# Altium PCB stm32PCB.PcbDoc
Units mil, origin at the board's own origin, x right, y up, seen from the top; angles counter-clockwise.
Board outline 1574.8 x 1600 mil, 2 copper layers (Top Layer, Bottom Layer); 46 components, 56 nets, 198 pads, 83 vias.
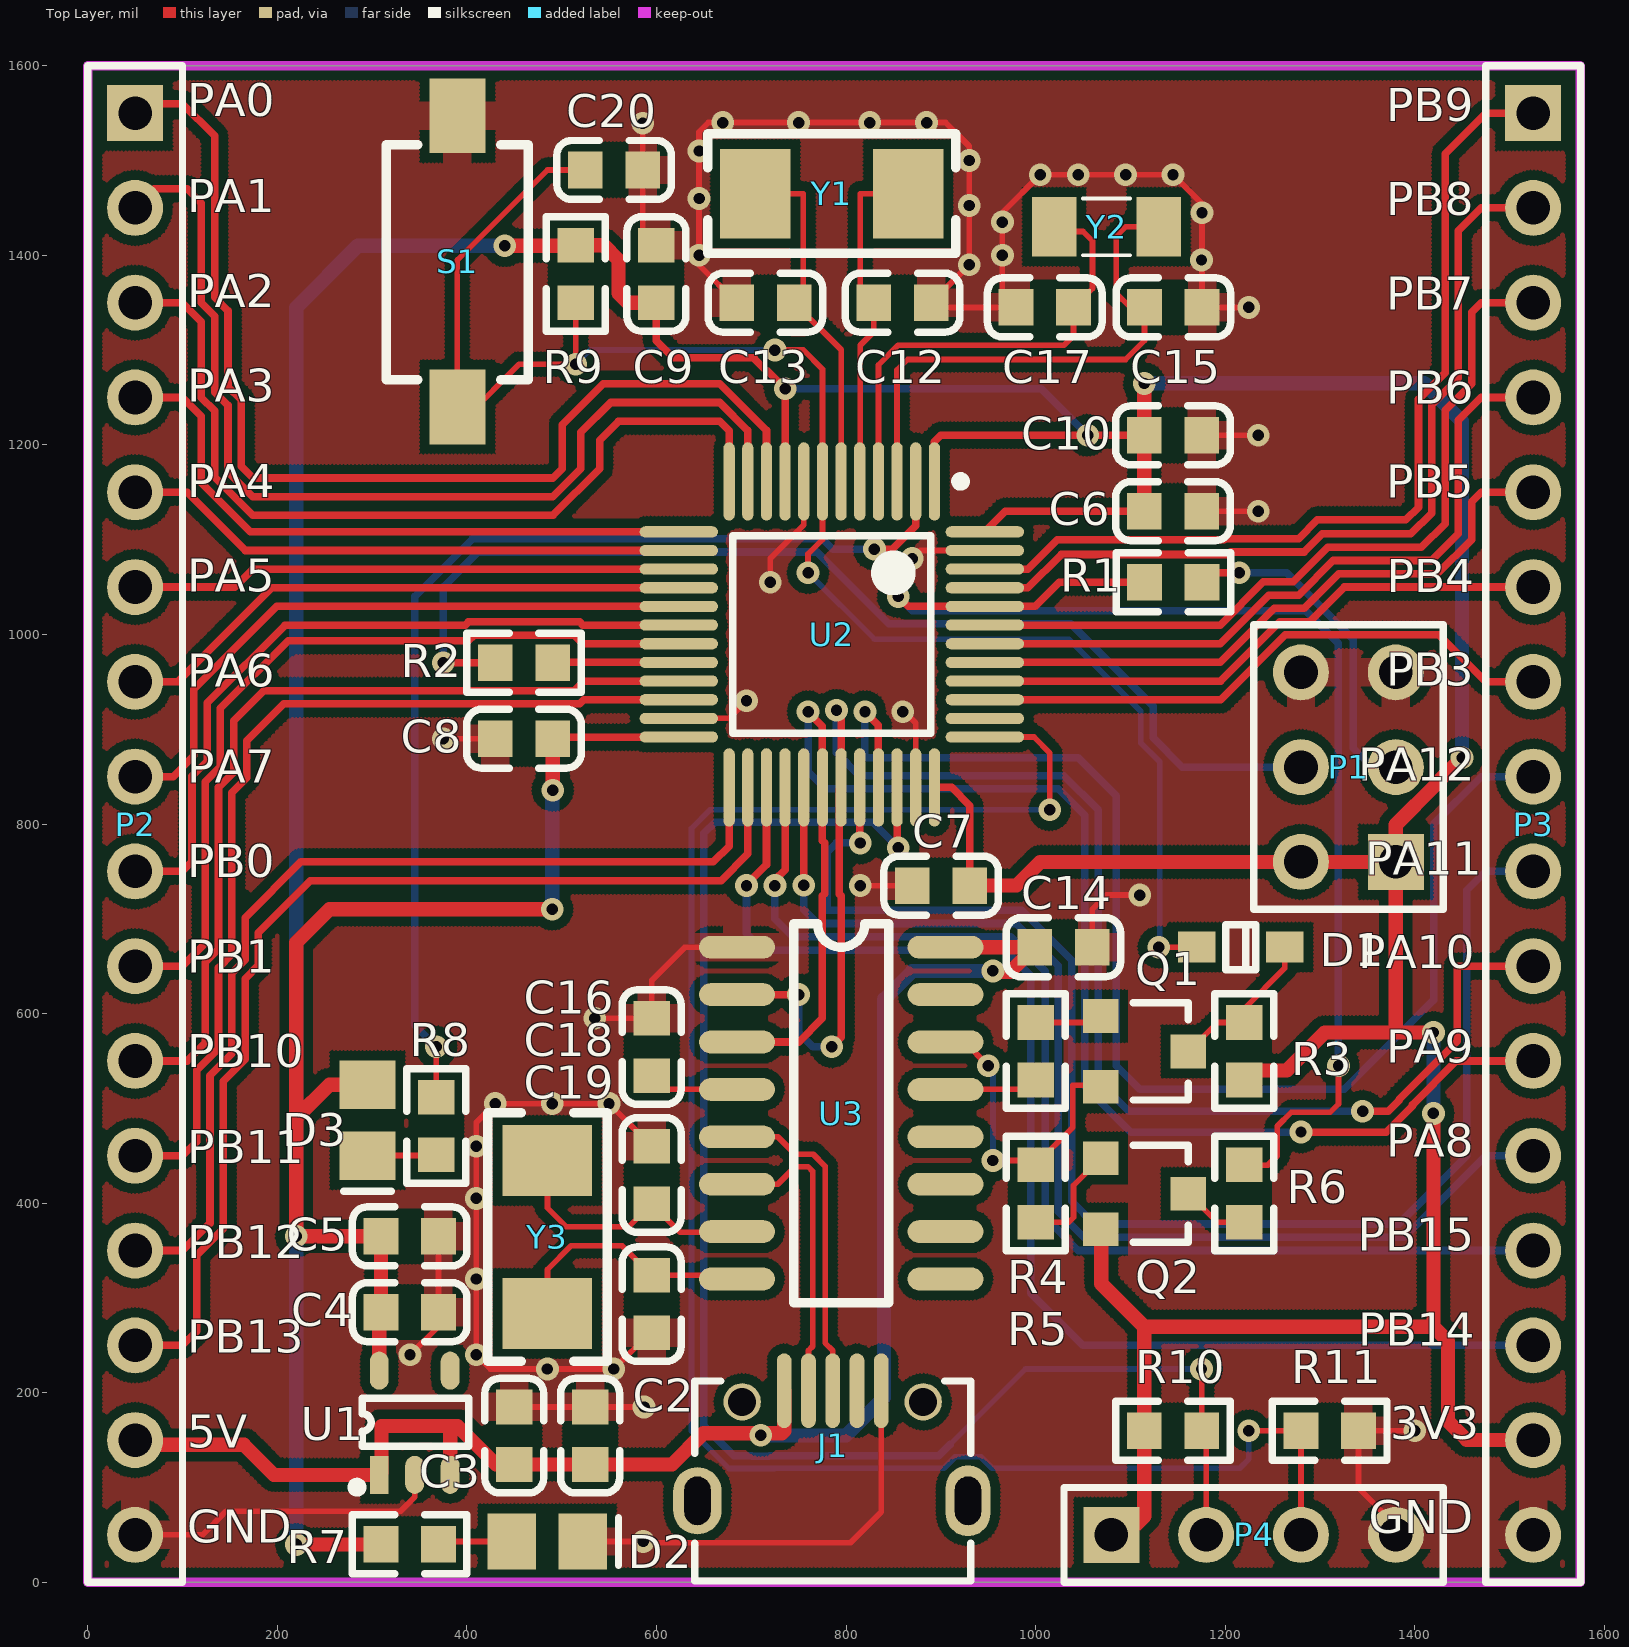
[diagram p0: Top Layer view]
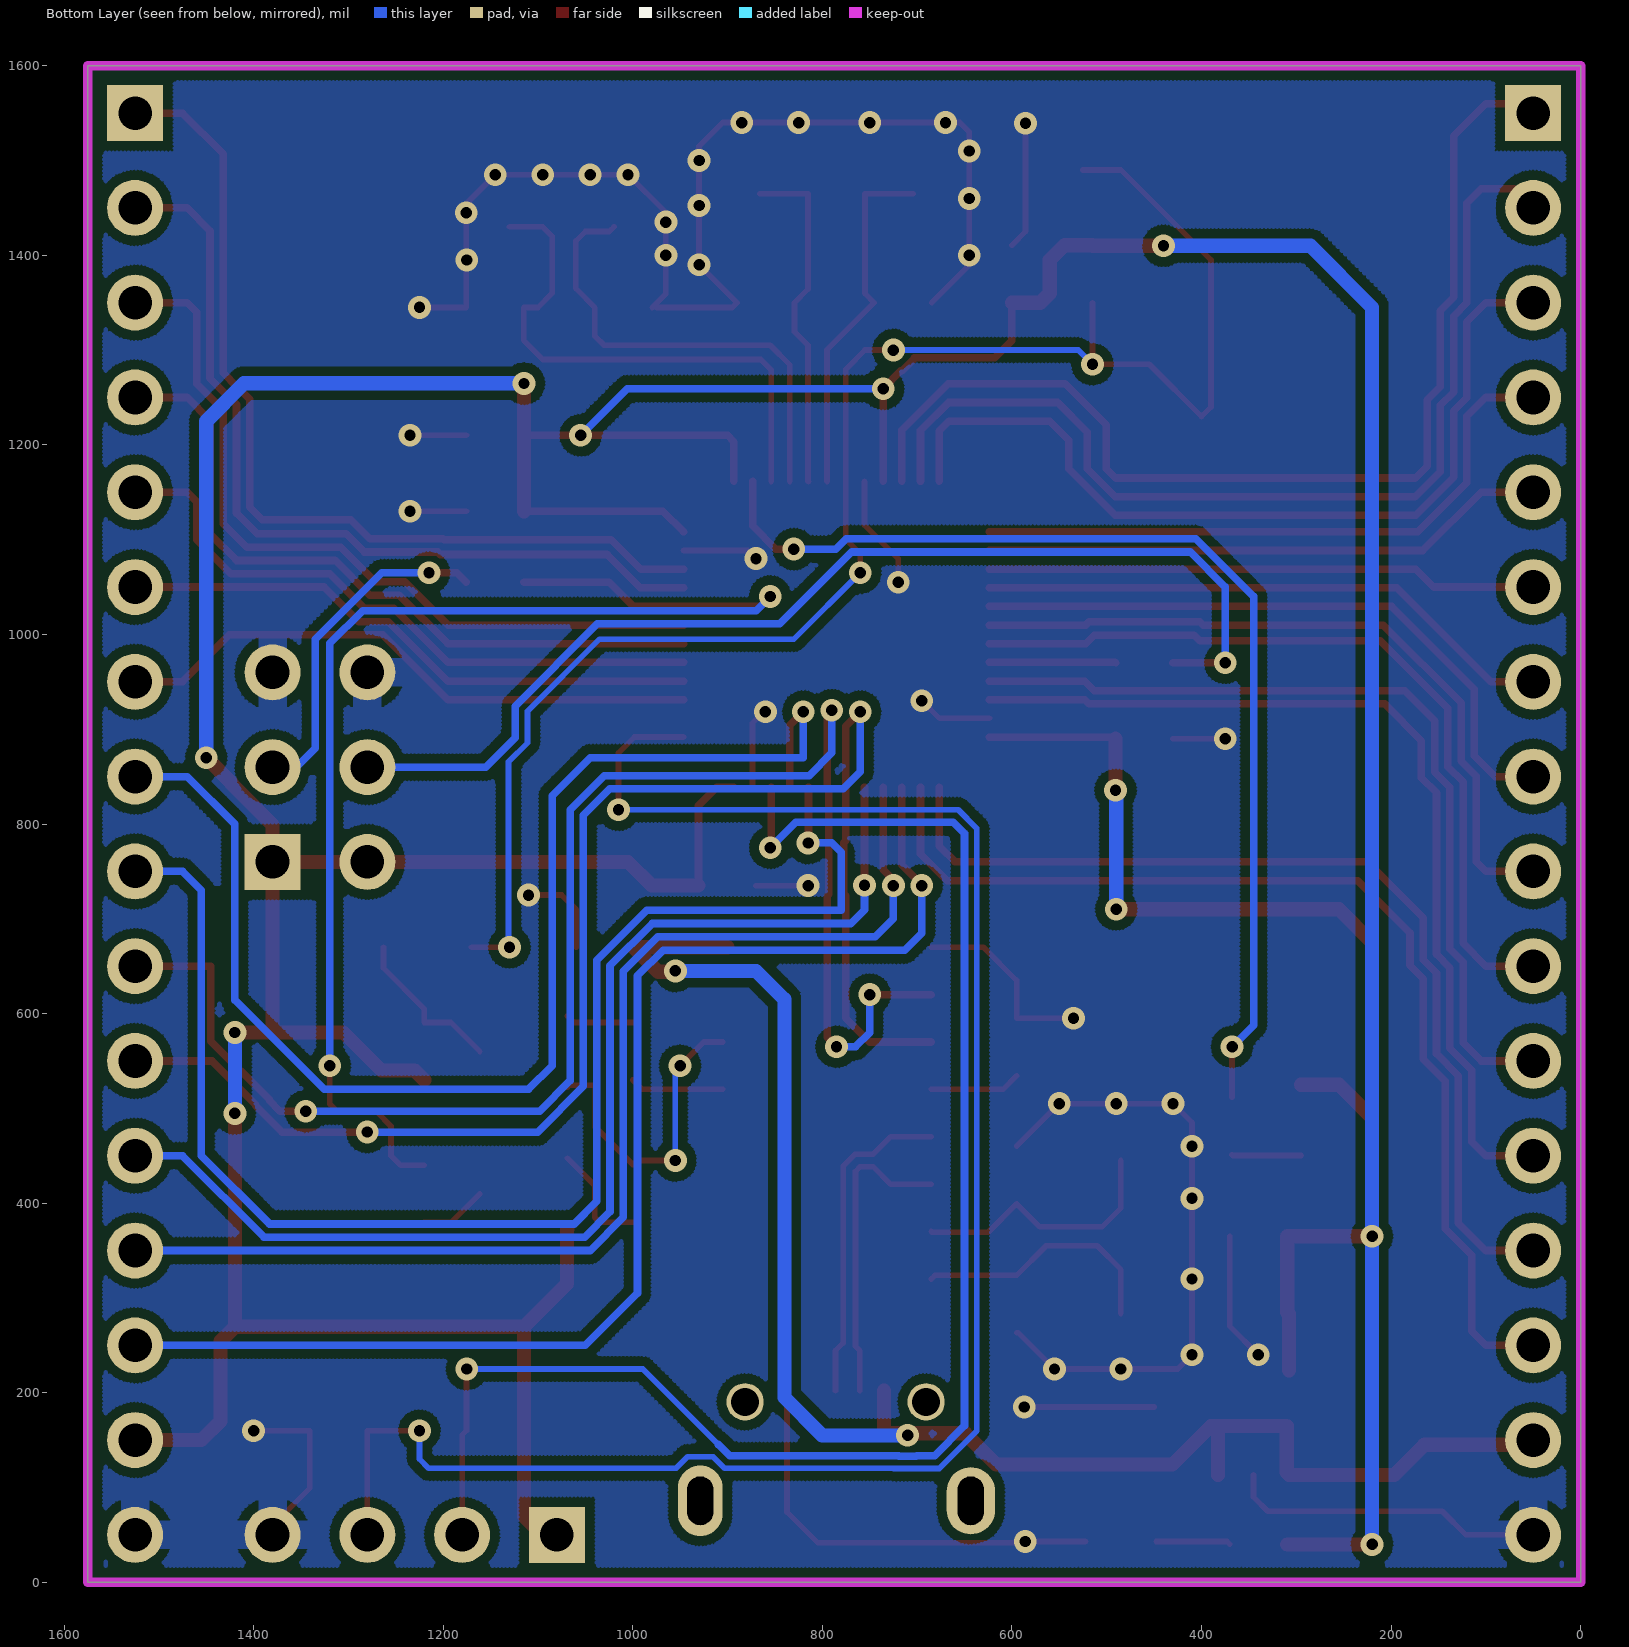
[diagram p1: Bottom Layer view, seen from below]
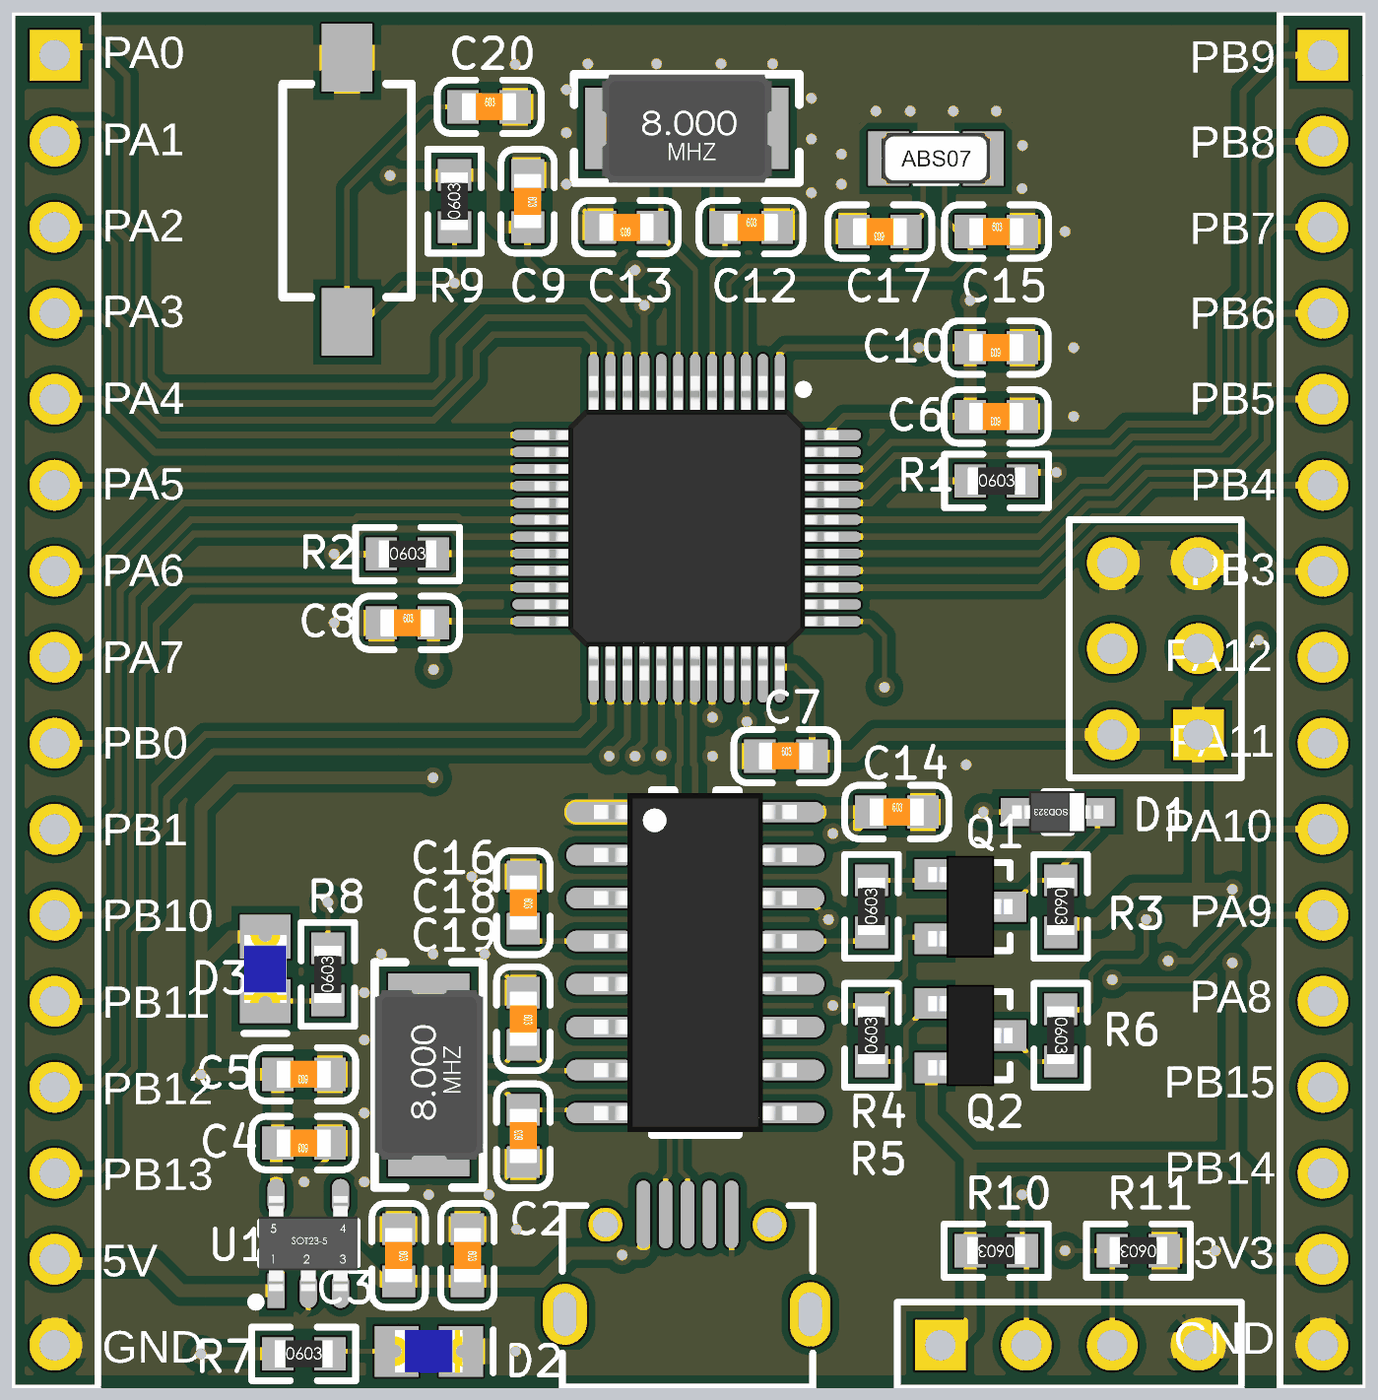
[diagram p2: 3D render of the assembled board from above, using the file's embedded part models]

## Layer stack, top to bottom
Top Solder: solder mask 0.4, Solder Resist, Dk 3.5
Top Layer: signal copper 1.4
Dielectric 1: dielectric 12.6, FR-4, Dk 4.8
Bottom Layer: signal copper 1.4
Bottom Solder: solder mask 0.4, Solder Resist, Dk 3.5

## Board outline
0,0 1574.8,0 1574.8,1600 0,1600

## Design rules (kind name [scope] priority, off if disabled: settings)
Clearance [(IsTrack) vs (IsTrack)] p1 off: gap=12
Clearance POLY [InPolygon] p2: gap=10
Clearance VIA-POLY [ISVIA vs InPolygon] p3: gap=6
Clearance all [All] p4: gap=6
DiffPairsRouting DiffPair_90DiffPairsRouting [InDifferentialPairClass('90OM')] p1: maxlimit=7 minlimit=7 mostfreqgap=7 toplayer_minwidth=6 toplayer_maxwidth=6 toplayer_prefwidth=6 bottomlayer_minwidth=6 bottomlayer_maxwidth=6 bottomlayer_prefwidth=6 maxuncoupledlength=500
MatchedLengths DiffPair_90MatchedLengths [InDifferentialPair ('D_D')] p1: tolerance=1000 checknetsindiffpair=FALSE checkdiffpairvsdiffpair=TRUE checkxsignals=TRUE checkothers=TRUE
PolygonConnect PolygonConnect_1 [ISVIA] p1: connectstyle=Direct reliefconductorwidth=10 reliefentries=4 polygonreliefangle="90 Angle" airgapwidth=10
PolygonConnect [All] p2: connectstyle=Relief reliefconductorwidth=30 reliefentries=4 polygonreliefangle="90 Angle" airgapwidth=10
RoutingVias [All] p1: holewidth=12 width=24 viastyle="Through Hole" minholewidth=12 minwidth=24 maxholewidth=12 maxwidth=24
SilkToSilkClearance [All] p1: silktosilkclearance=2
SilkToSolderMaskClearance [IsPad] p1: minsilkscreentomaskgap=2 clearancetoexposedcopper=TRUE
SolderMaskExpansion [All] p1: expansion=2.5
Width PWR [InNetClass('PWR')] p1: maxlimit=60 minlimit=6 preferedwidth=15
Width [All] p2: maxlimit=45 minlimit=6 preferedwidth=6
27 further rules are at their usual default settings.

## Classes and differential pairs
differential pair class 90OM: USB
net class PWR: 3V3 5V
differential pair USB: +D+ -D-

## Components (designator, comment, footprint, x,y, rotation, side; value= is the part's Value field where it differs from the comment)
C2 "Cap" 0603_C 530,154.68 r270 top
C3 "Cap" 0603_C 450,154.68 r270 top
C4 "Cap" 0603_C 339.68,285 r180 top
C5 "Cap" 0603_C 339.68,365 r180 top
C6 "Cap" 0603_C 1145,1130 r180 top
C7 "Cap" 0603_C 900.32,735 r0 top
C8 "Cap" 0603_C 460.32,890 r0 top
C9 "Cap" 0603_C 600,1380.32 r270 top
C10 "Cap" 0603_C 1145,1210 r180 top
C12 "Cap" 0603_C 859.68,1350 r0 top
C13 "Cap" 0603_C 715,1350 r180 top
C14 "Cap" 0603_C 1029.33,670 r0 top
C15 "Cap" 0603_C 1145.32,1345 r0 top
C16 "Cap" 0603_C 595,564.68 r270 top
C17 "Cap" 0603_C 1009.68,1345 r180 top
C18 "Cap" 0603_C 595,429.68 r270 top
C19 "Cap" 0603_C 595,293.46 r90 top
C20 "Cap" 0603_C 555.32,1490 r0 top
D1 "Diode" SOD-323 1216.46,670 r180 top
D2 "LED0" LED_0805_Blue 485,43.01 r0 top
D3 "LED0" LED_0805_Blue 295,487.6 r270 top
J1 "USB_M" USB 785,85 r0 top
P1 "Header 3*2" HDR3X2 1330,860 r90 top
P2 "Header 16" HDR16X1_A 50,800 r270 top
P3 "Header 16" HDR16X1_A 1525,800 r270 top
P4 "Header 4" HDR4X1_A 1230,50 r0 top
Q1 "SS8050" SOT-23 1115,560 r270 top
Q2 "SS8550" SOT-23 1115,410 r270 top
R1 "Res1" 0603_R 1145.31,1055 r0 top
R2 "Res1" 0603_R 460.31,970 r0 top
R3 "Res1" 0603_R 1220,560.32 r270 top
R4 "Res1" 0603_R 1000,560.31 r90 top
R5 "Res1" 0603_R 1000,410.31 r90 top
R6 "Res1" 0603_R 1220,410.32 r270 top
R7 "Res1" 0603_R 339.68,40 r0 top
R8 "Res1" 0603_R 367.7,481.28 r90 top
R9 "Res1" 0603_R 515,1380.31 r90 top
R10 "Res1" 0603_R 1145,160 r180 top
R11 "Res1" 0603_R 1310.32,160 r180 top
S1 "SW-PB" SW_PB2_A1 390,1393.54 r90 top
U1 "ME6211" SOT23-5 345,168.32 r90 top
U2 "STM32F103C8T6" LQFP-48_M 785,1000 r270 top
U3 "CH340G" SOP-16 795,495 r0 top
Y1 "8M" 5032 785,1465 r180 top
Y2 "32.768X" 3215 1074.88,1430 r180 top
Y3 "8M" 5032 485,364.29 r270 top

## Footprints (in the part's own frame and the unit in brackets; to place one, negate y for a bottom-side part, rotate by r counter-clockwise, add the part's x,y. Pads: shape width x height; smd on the part's side, far side on the other; paste and mask are expansions set on the pad)
0603_C [mm]
  rect 0.93x0.98 smd: 1(-0.77,0) 2(0.77,0)
  silkscreen extent -1.53,-0.79 1.54,0.79, body extent -0.8,-0.4 0.8,0.4, height 0.3
0603_R [mm]
  rect 0.93x0.98 smd: 1(-0.77,0) 2(0.77,0)
  silkscreen extent -1.53,-0.79 1.54,0.79, body extent -0.85,-0.4 0.85,0.4, height 0.56
3215 [mm]
  rect 1.2x1.6 smd: 1(-1.4,0) 2(1.4,0)
  silkscreen extent -0.64,-0.76 0.64,0.76, body extent -1.61,-0.76 1.61,0.76, height 0.91
5032 [mm]
  rect 1.9x2.4 smd: 1(-2.05,0) 2(2.05,0)
  silkscreen extent -3.32,-1.6 3.32,1.6, body extent -2.51,-1.59 2.49,1.61, height 1.2
HDR3X2 [mm]
  rect 1.5x1.5 hole 0.9: 1(-2.54,-1.27)
  round 1.5 hole 0.9: 2(-2.54,1.27) 3(0,-1.27) 4(0,1.27) 5(2.54,-1.27) 6(2.54,1.27)
  silkscreen extent -3.81,-2.54 3.81,2.54, body extent -3.81,-2.54 3.81,2.54, height 8.57
HDR4X1_A [mm]
  rect 1.5x1.5 hole 0.9: 1(-3.81,0)
  round 1.5 hole 0.9: 2(-1.27,0) 3(1.27,0) 4(3.81,0)
  silkscreen extent -5.08,-1.27 5.08,1.27, body extent -5.08,-1.27 5.08,1.27, height 8.57
HDR16X1_A [mm]
  rect 1.5x1.5 hole 0.9: 1(-19.05,0)
  round 1.5 hole 0.9: 2(-16.51,0) 3(-13.97,0) 4(-11.43,0) 5(-8.89,0) 6(-6.35,0) 7(-3.81,0) 8(-1.27,0) 9(1.27,0) 10(3.81,0) 11(6.35,0) 12(8.89,0) 13(11.43,0) 14(13.97,0) 15(16.51,0) 16(19.05,0)
  silkscreen extent -20.32,-1.27 20.32,1.27, body extent -20.32,-1.27 20.32,1.27, height 8.57
LED_0805_Blue [mm]
  rect 1.3x1.5 smd: 1(-0.95,0) 2(0.95,0)
  silkscreen extent 1.91,-0.64 1.91,0.64, body extent -1,-0.63 1,0.62, height 1.1
LQFP-48_M [mm]
  oval 2.1x0.3 smd: 1(-4.1,2.75) 2(-4.1,2.25) 3(-4.1,1.75) 4(-4.1,1.25) 5(-4.1,0.75) 6(-4.1,0.25) 7(-4.1,-0.25) 8(-4.1,-0.75) 9(-4.1,-1.25) 10(-4.1,-1.75) 11(-4.1,-2.25) 12(-4.1,-2.75) 25(4.1,-2.75) 26(4.1,-2.25) 27(4.1,-1.75) 28(4.1,-1.25) 29(4.1,-0.75) 30(4.1,-0.25) 31(4.1,0.25) 32(4.1,0.75) 33(4.1,1.25) 34(4.1,1.75) 35(4.1,2.25) 36(4.1,2.75)
  oval 0.3x2.1 smd: 13(-2.75,-4.1) 14(-2.25,-4.1) 15(-1.75,-4.1) 16(-1.25,-4.1) 17(-0.75,-4.1) 18(-0.25,-4.1) 19(0.25,-4.1) 20(0.75,-4.1) 21(1.25,-4.1) 22(1.75,-4.1) 23(2.25,-4.1) 24(2.75,-4.1) 37(2.75,4.1) 38(2.25,4.1) 39(1.75,4.1) 40(1.25,4.1) 41(0.75,4.1) 42(0.25,4.1) 43(-0.25,4.1) 44(-0.75,4.1) 45(-1.25,4.1) 46(-1.75,4.1) 47(-2.25,4.1) 48(-2.75,4.1)
  silkscreen extent -4.22,-2.65 2.65,3.57, body extent -4.5,-4.5 4.5,4.5, height 1.6
SOD-323 [mm]
  rect 1x0.83 smd: 1(1.18,0) 2(-1.18,0)
  silkscreen extent -0.4,-0.6 0.4,0.6, body extent -1.35,-0.62 1.35,0.63, height 1.1
SOP-16 [mil]
  oval 80x24 smd: 1(-110,175) 2(-110,125) 3(-110,75) 4(-110,25) 5(-110,-25) 6(-110,-75) 7(-110,-125) 8(-110,-175) 9(110,-175) 10(110,-125) 11(110,-75) 12(110,-25) 13(110,25) 14(110,75) 15(110,125) 16(110,175)
  silkscreen extent -50,-200 50,200, body extent -118,-197 118,197, height 69
SOT23-5 [mil]
  rect 40x20 smd: 1(-55,37.4)
  oval 40x20 smd: 2(-55,0) 3(-55,-37.4) 4(55,-37.4) 5(55,37.4)
  silkscreen extent -73,-57 26,66, body extent -55,-57 55,57, height 43
SOT-23 [mm]
  rect 0.9x0.95 smd: 1(-0.95,-1.175) 2(0.95,-1.175) 3(0,1.175)
  silkscreen extent -1.3,-0.3 1.3,1.18, body extent -1.5,-1.25 1.5,1.25, height 1.08
SW_PB2_A1 [mm]
  rect 2x1.5 smd: 1(-3.9,0) 2(3.9,0)
  silkscreen extent -3.17,-1.9 3.13,1.9, body extent -3.96,-1.94 3.93,1.91, height 2.5
USB [mm]
  oval 1.3x1.8 hole 0.7 slot 1.3 at 90 deg: 0(-3.6,0.025)
  round 1 hole 0.75: 0(-2.4,2.675) 0(2.45,2.675)
  oval 1.2x1.9 hole 0.7 slot 1.3 at 90 deg: 0(3.65,0.025)
  oval 0.4x2 smd: 1(-1.275,2.975) 2(-0.625,2.975) 3(0.025,2.975) 4(0.675,2.975) 5(1.325,2.975)
  silkscreen extent -3.67,-2.12 3.73,3.24, body extent -4,-2.64 4.05,2.94, height 2.72

## Part data
C2 C3 C4 C5 C6 C7 C8 C9 C10 C12 C13 C14 C15 C16 C17 C18 C19 C20: "无极性电容"
D1: "二极管"
D2 D3: "发光二极管"
J1: "MicroUSB接口"
P1 P4: "接插件"
P2 P3: "Header16贴片"
Q1: "NPN贴片三极管"
Q2: "PNP贴片三极管"
R1 R2 R3 R4 R5 R6 R7 R8 R9 R10 R11: "贴片电阻"
S1: "微动开关"
U2: "STM32单片机48引脚"
U3: "串口芯片"
Y1 Y2 Y3: library part XTAL, "晶振"

## Via types
v1: diameter 24, hole 12, Top Layer to Bottom Layer, tented both sides, 83 vias

## Nets (pads, with @x,y where several pads share a name; then routed paths per layer and width w, separated by ;. In a path a pad name is that pad's centre, name@x,y a point inside that pad or via, vN(x,y) a via of type N, cw(c..) or ccw(c..) an arc to the next point about the centre after c; other vN are vias at no path point)
3V3: C4.2 C5.2 C6.2 C7.2 C8.2 C9.2 C10.2 D3.1 P1.1 P1.2 P3.15 P4.1 Q2.2 R3.2 R7.1 R9.2 R10.2 U1.5 U2.1 U2.9 U2.24 U2.36 U2.48 | length 7310
  Top Layer w8: C8.2 492.36,891.73 U2.24 ; C9.2 600,1310 618,1292 703,1292 703,1290.89 715.89,1278 717,1278 v1(735.79,1259.21) U2.9 ; U2.36 911.42,838.58 930.63,819.37 C7.2 ; U2.1 893.27,1203.27 900,1210 v1(1055,1210) C10.2 ; U2.48 968.15,1130 C6.2
  Top Layer w15: v1(220,40) R7.1 ; D3.1 255,525 220,490 ; U1.5 307.6,283.23 C4.2 C5.2 v1(220,365) 220,490 ; v1(440,1410) 514.37,1410 R9.2 544.37,1410.63 560,1395 560,1360 570,1350 C9.2 ; v1(490,710) 255,710 220,675 220,490 ; v1(490.63,835.63) C8.2 ; C7.2 980,735 1005,760 P1.2 P1.1 ; Q2.2 1069.37,371.97 1069.37,315 1114.68,269.68 ; P4.1 1095,50 1114.68,69.68 R10.2 1114.68,269.68 ; C6.2 C10.2 v1(1114.68,1264.68) ; R3.2 1230,540 1265,540 1305,580 1380,580 ; v1(1419.68,494.68) 1419.68,269.68 ; v1(1419.68,580) 1380,580 ; v1(1450,870) 1423.03,843.03 1423.03,842.18 1380,799.15 P1.1 ; P3.15 1455,150 1435,170 1435,254.37 1419.68,269.68 ; 1114.68,269.68 1419.68,269.68 ; 1380,580 P1.1
  Bottom Layer w8: v1(735.79,1259.21) 1005.79,1259.21 v1(1055,1210)
  Bottom Layer w15: v1(220,40) v1(220,365) 220,1345 285,1410 v1(440,1410) ; v1(490,710) 490,835 v1(490.63,835.63) ; v1(1114.68,1264.68) 1115,1265 1410,1265 1450,1225 v1(1450,870) ; v1(1419.68,494.68) v1(1419.68,580)
5V: C2.2 C3.2 C14.1 J1.1 P2.15 U1.1 U1.3 U3.16 | length 1727.7
  Top Layer w15: P2.15 55,145 165,145 196.68,113.32 U1.1 310,115.72 310,165 390,165 ; U1.3 382.4,157.4 390,165 ; J1.1 734.82,159.82 732.15,157.15 649.3,157.15 616.53,124.37 C2.2 C3.2 430.63,124.37 390,165 ; U3.16@900,670 U3.16 C14.1 973.03,644.02 955,644.02 v1(955,645)
  Bottom Layer w15: v1(710,155) 800,155 840,195 840,615 870,645 v1(955,645)
BOOT0: R1.1 R6.1 U2.44 | length 1390.4
  Top Layer w6: R6.1@1220,440 1245,440 1255,450 1255,481.11 1269.89,496 1311,496 1319.53,504.53 v1(1319.53,545)
  Top Layer w8: v1(855,1040) 865.47,1029.53 U2.44 999.53,1029.53 1025,1055 R1.1
  Bottom Layer w8: v1(855,1040) 869.89,1025.11 1284.89,1025.11 1319.53,990.47 v1(1319.53,545)
BOOT1: R2.2 U2.20 | length 133.1
  Top Layer w8: R2.2 491.1,970.47 U2.20
CLK: P4.3 R11.2 U2.37 | length 1970.9
  Top Layer w6: U2.37 998.27,891.73 1015,875 v1(1015,815) ; v1(1225,160) R11.2 P4.3
  Bottom Layer w6: v1(1015,815) 656.62,815 637,795.38 637,159.62 676.62,120 724.5,120 724.9,120.4 903.2,120.4 915.2,132.4 942.23,132.4 954.23,120.4 1215.4,120.4 1225,130 v1(1225,160)
D+: J1.3 U3.5 | length 345.9
  Top Layer w6: U3.5 728,470 746.5,451.5 765.38,451.5 778,438.88 778,252.51 786,244.51 J1.3
D-: J1.2 U3.6 | length 323
  Top Layer w6: U3.6 728,420 746.5,438.5 760,438.5 765,433.5 765,249.1 760.41,244.51 J1.2
DIO: P4.2 R10.1 U2.34 | length 1663.6
  Top Layer w6: v1(1175,225) 1175.31,224.69 R10.1 1180,155.31 P4.2
  Top Layer w8: U2.34 853.9,776.1 v1(855,775)
  Bottom Layer w6: 909.82,145.4 989.42,225 v1(1175,225)
  Bottom Layer w8: v1(855,775) 828,802 662,802 650,790 650,165 681.6,133.4 700.49,133.4 700.89,133 719.11,133 719.51,133.4 897.82,133.4 909.82,145.4
GND: C2.1 C3.1 C4.1 C5.1 C6.1 C7.1 C8.1 C9.1 C10.1 C12.2 C13.2 C14.2 C15.2 C16.1 C17.2 C18.1 C19.1 C20.2 D2.2 J1.5 P1.5 P1.6 P2.16 P3.16 P4.4 R11.1 S1.2 U1.2 U2.8 U2.23 U2.35 U2.47 U3.1 | length 4217.1
  Top Layer w6: P2.16 121,50 146,75 330.11,75 345,89.89 U1.2 ; v1(340,240) 370,270 C4.1 C5.1 ; v1(375,890) C8.1 ; C3.1 C2.1 v1(586.98,185) ; D2.2 v1(585.99,43.01) 587.43,41.57 804.57,41.57 837.18,74.18 J1.5 ; v1(535,595) C16.1 595,635 630,670 U3.1 ; v1(585.63,1539.37) C20.2 585.63,1425 C9.1 ; C19.1 593.15,263.15 v1(555,225) v1(485,225) 425,225 v1(410,240) v1(410,320) v1(410,405) v1(410,460) 410,485 v1(430,505) v1(490,505) v1(550,505) C18.1 ; U2.23 676.42,911.42 v1(695,930) ; C13.2 645,1389.68 v1(645,1400) v1(645,1459.84) v1(645,1510) 645,1530 655,1540 v1(670,1540) v1(750,1540) v1(825,1540) v1(885,1540) 905,1540 930,1515 v1(930,1500) v1(930,1452.5) v1(930,1390) C12.2 895,1345 C17.2@974.68,1345 ; v1(720,1055) 720,1080 755.47,1115.47 U2.8 ; v1(815,735) C7.1 ; v1@860.79,919.21 873.58,906.42 U2.35 ; v1(870,1080) 878.58,1088.58 U2.47 ; C17.2 965,1359.37 v1(965,1400) v1(965,1435) 965,1445 v1(1005,1485) v1(1045,1485) v1(1095,1485) v1(1145,1485) 1175.63,1454.37 v1(1175.63,1445) C15.2 v1(1225,1345) ; C14.2 1059.65,709.65 1075,725 v1(1110,725) ; C6.1 v1(1235,1130) ; C10.1 v1(1235,1210) ; P4.4 1380,60 1340.63,99.37 R11.1 v1(1400,160)
  Bottom Layer w6: v1@585.99,184.01 v1(586.98,185)
  other v1: 860,918.43 1175,1395
NetC16_2: C16.2 U3.4 | length 96
  Top Layer w6: C16.2 609.37,520 U3.4
NetC18_2: C18.2 U3.7 Y3.1 | length 281.1
  Top Layer w6: Y3.1 485,395 505,375 570.63,375 C18.2 625,369.37 684.37,369.37 U3.7
NetC19_2: C19.2 U3.8 Y3.2 | length 271.3
  Top Layer w6: Y3.2 485,330 510,355 563.78,355 C19.2 681.22,323.78 U3.8
NetD1_2: D1.2 Q1.3 R3.1 | length 168.6
  Top Layer w6: Q1.3 1191.89,590.63 R3.1 1220,605 1262.91,647.91 D1.2
NetD2_1: D2.1 R7.2 | length 78.8
  Top Layer w6: R7.2 373.01,43.01 D2.1
NetD3_2: D3.2 R8.1 | length 73
  Top Layer w6: D3.2 366.93,450.2 R8.1
NetP1_3: P1.3 R1.2 | length 360.7
  Top Layer w8: R1.2 1185.63,1065 v1(1215,1065)
  Bottom Layer w8: v1(1215,1065) 1264.8,1065 1335,994.8 1335,880 1355,860 P1.3
NetP1_4: P1.4 R2.1 | length 1168.9
  Top Layer w8: v1(375,970) R2.1
  Bottom Layer w8: v1(375,970) 375,1050 412,1087 769.11,1087 845,1011.11 1037.27,1011.11 1124,924.38 1124,891 1155,860 P1.4
NetQ1_1: Q1.1 R4.2 | length 71.5
  Top Layer w6: R4.2 1061.97,590.63 Q1.1
NetQ1_2: Q1.2 R5.2 U3.14 | length 342
  Top Layer w6: U3.14 925,570 v1(950,545) ; v1@950,440 v1(955,445) 995.63,445 R5.2 1039.37,480 1039.37,524.37 1066.97,524.37 Q1.2
  Bottom Layer w6: v1(950,545) 949.37,544.37 955,538.74 v1(955,445)
NetQ2_1: Q2.1 R5.1 | length 116.4
  Top Layer w6: R5.1 1035,380 1040,385 1040,418.66 Q2.1
NetQ2_3: Q2.3 R6.2 | length 71.2
  Top Layer w6: Q2.3 1191.26,380 R6.2
NetR4_1: R4.1 U3.13 | length 99.1
  Top Layer w6: U3.13 990,520 R4.1
NRST: C20.1 D1.1 R9.1 S1.1 U2.7 | length 1751.3
  Top Layer w6: R9.1 v1(515,1285) 455,1285 400,1230 S1.1 390,1395 485,1490 C20.1 ; v1(725,1300) 755,1300 775.16,1279.84 U2.7 775.16,1100.16 760,1085 v1(760,1065) ; v1(1130,670) D1.1
  Bottom Layer w6: v1(515,1285) 530,1300 v1(725,1300) ; v1(760,1065) 830,995 1035,995 1111,919 1111,885.62 1131,865.62 1131,671 v1(1130,670)
OSCIN: C12.1 U2.5 Y1.1 | length 366.4
  Top Layer w6: U2.5 815,1161.89 815,1305 829.37,1319.37 C12.1 815,1364.37 815,1465 Y1.1
OSCOUT: C13.1 U2.6 Y1.2 | length 378.9
  Top Layer w6: Y1.2 755,1465 755,1359.68 C13.1 795,1300.32 795,1161.57 U2.6
PA0: P2.1 U2.10 | length 1164.1
  Top Layer w8: P2.1 60,1560 100,1560 134,1526 134,1355.6 148,1341.6 148,1261.4 162,1247.4 162,1177.4 174.4,1165 490.63,1165 500.63,1175 500.63,1221.31 543.69,1264.37 666.96,1264.37 716.1,1215.23 U2.10
PA1: P2.2 U2.11 | length 1068.3
  Top Layer w8: P2.2 70,1470 105,1470 120,1455 120,1349.8 134,1335.8 134,1255.6 148,1241.6 148,1171.6 174.28,1145.32 490.74,1145.32 520.32,1174.89 520.32,1213.15 551.85,1244.68 666.85,1244.68 696.42,1215.11 U2.11
PA2: P2.3 U2.12 | length 924.2
  Top Layer w8: P2.3 100,1350 120,1330 120,1249.8 134,1235.8 134,1165.8 174.17,1125.63 490.86,1125.63 540,1174.77 540,1205 560,1225 666.73,1225 676.73,1215 U2.12
PA3: P2.4 U2.13 | length 673.3
  Top Layer w8: P2.4 100,1250 120,1230 120,1160 171.73,1108.27 U2.13
PA4: P2.5 U2.14 | length 599
  Top Layer w8: P2.5 105,1150 166.42,1088.58 U2.14
PA5: P2.6 U2.15 | length 581.4
  Top Layer w8: P2.6 155,1050 173.9,1068.9 U2.15
PA6: P2.7 U2.16 | length 614.7
  Top Layer w8: P2.7 95,950 194.21,1049.21 U2.16
PA7: P2.8 U2.17 | length 689
  Top Layer w8: P2.8 90,850 112,872 112,942 199.53,1029.53 U2.17
PA8: P3.12 U2.29 | length 1224.5
  Top Layer w8: v1@755.47,740.47 U2.29
  Bottom Layer w8: v1(755.47,735.47) 755.47,709.53 770,695 979.6,695 1024,650.6 1024,390.8 1050.8,364 1389,364 1475,450 P3.12
PA9: P3.11 U2.30 U3.3 | length 1617.1
  Top Layer w8: U3.3 750,570 775.16,595.16 775.16,724.04 777.47,726.36 777.47,780 775.16,782.31 U2.30 775.16,903.27 v1(760,918.43) ; v1(1280,475) 1370,475 1397.68,502.68 1397.68,503.8 1443.89,550 P3.11
  Bottom Layer w8: v1(760,918.43) 760,855 778,837 1024.11,837 1052,809.11 1052,523.2 1100.2,475 v1(1280,475)
PA10: P3.10 U2.31 U3.2 | length 1723.4
  Top Layer w8: U3.2 v1(750,620) ; v1(785,565) 794.84,574.84 794.84,724.04 793,725.89 793,836.74 U2.31 794.84,910.16 795,910.32 790,915.32 v1(790,920) ; v1(1345,497) 1372.2,497 1383.68,508.48 1383.68,509.6 1445,570.91 1445,650 P3.10
  Bottom Layer w8: v1(750,620) 750,580 765,565 v1(785,565) ; v1(790,920) 790,875 814,851 1029.91,851 1066,814.91 1066,529 1066.2,529 1098.2,497 v1(1345,497)
PA11: P3.9 U2.32 | length 1512.7
  Top Layer w8: v1@814.53,775.47 U2.32
  Bottom Layer w8: v1(815,780) 790,780 780,770 780,709 985.4,709 1038,656.4 1038,401.8 1061.8,378 1383.2,378 1455,449.8 1455,730 1475,750 P3.9
PA12: P3.8 U2.33 | length 1396.5
  Top Layer w8: v1(820,918.43) 834.21,904.21 U2.33
  Bottom Layer w8: v1(820,918.43) 820,870 1045,870 1085,830 1085,545 1110,520 1325.64,520 1420,614.36 1420,800 1470,850 P3.8
PB0: P2.9 U2.18 | length 772.9
  Top Layer w8: P2.9 100,750 110,760 110,850.2 126,866.2 126,927.67 208.18,1009.84 398.3,1009.84 401.75,1013.29 518.88,1013.29 522.33,1009.84 U2.18
PB1: P2.10 U2.19 | length 857.9
  Top Layer w8: P2.10 100,650 124,674 124,844.4 140,860.4 140,921.87 211.57,993.43 401.69,993.43 407.55,999.29 513.08,999.29 522.21,990.16 U2.19
PB3: P3.7 U2.39 | length 627.4
  Top Layer w8: U2.39 1195.2,931.1 1263.63,999.53 1425.47,999.53 1475,950 P3.7
PB4: P3.6 U2.40 | length 619.7
  Top Layer w8: U2.40 1195.09,950.79 1257.83,1013.53 1289,1013.53 1325.48,1050 P3.6
PB5: P3.5 U2.41 | length 676.4
  Top Layer w8: U2.41 1194.97,970.47 1252.03,1027.53 1283.21,1027.53 1319.68,1064 1424,1064 1460,1100 1460,1140 1470,1150 P3.5
PB6: P3.4 U2.42 | length 756.5
  Top Layer w8: U2.42 1194.86,990.16 1246.23,1041.53 1277.41,1041.53 1313.88,1078 1418,1078 1446,1106 1446,1226 1470,1250 P3.4
PB7: P3.3 U2.43 | length 833.7
  Top Layer w8: U2.43 1194.75,1009.84 1240.43,1055.53 1271.61,1055.53 1308.08,1092 1407,1092 1432,1117 1432,1236.4 1460,1264.4 1460,1340 1470,1350 P3.3
PB8: P3.2 U2.45 | length 902.8
  Top Layer w8: U2.45 991.87,1049.21 1026.95,1084.29 1203.18,1084.29 1205.89,1087 1283.28,1087 1302.28,1106 1396,1106 1418,1128 1418,1242.2 1422.8,1247 1446,1270.2 1446,1426 1470,1450 P3.2
PB9: P3.1 U2.46 | length 979.8
  Top Layer w8: U2.46 991.76,1068.9 1022.86,1100 1199.09,1100 1200.09,1101 1277.48,1101 1297.37,1120.89 1390.6,1120.89 1404,1134.29 1404,1248 1417,1261 1432,1276 1432,1507 1475,1550 P3.1
PB10: P2.11 U2.21 | length 921.2
  Top Layer w8: P2.11 105,550 124,569 124,654.2 138,668.2 138,838.6 154,854.6 154,909 185.71,940.71 513.08,940.71 523.16,950.79 U2.21
PB11: P2.12 U2.22 | length 989.6
  Top Layer w8: P2.12 100,450 115,465 115,540.2 138,563.2 138,648.4 152,662.4 152,832.8 168,848.8 168,888 206.71,926.71 518.88,926.71 523.27,931.1 U2.22
PB12: P2.13 U2.25 | length 1032.3
  Top Layer w8: P2.13 100,350 129,379 129,534.4 152,557.4 152,642.6 166,656.6 166,701 225,760 660,760 676.73,776.73 U2.25
PB13: P2.14 U2.26 | length 1139.4
  Top Layer w8: P2.14 100,250 115,265 115,345.2 143,373.2 143,528.6 166,551.6 166,636.8 180,650.8 180,685.32 235,740.32 668.15,740.32 696.42,768.58 U2.26
PB14: P3.14 U2.27 | length 1368.7
  Top Layer w8: v1(695,735) 695,736.11 716.1,757.21 U2.27
  Bottom Layer w8: v1(695,735) 695,685 713,667 968,667 995,640 995,305 1050,250 P3.14
PB15: P3.13 U2.28 | length 1240.2
  Top Layer w8: v1(725,735) 725,741.11 735.79,751.9 U2.28
  Bottom Layer w8: v1(725,735) 725,700 744,681 973.8,681 1010,644.8 1010,385 1045,350 P3.13
PC13: R8.2 U2.2 | length 1153.2
  Top Layer w6: R8.2 v1(367.7,565)
  Top Layer w8: v1(830,1090) 848.89,1090 873.58,1114.7 U2.2
  Bottom Layer w8: v1(367.7,565) 345,587.7 345,1040 406,1101 774.91,1101 785.91,1090 v1(830,1090)
PC14: C15.1 U2.3 Y2.1 | length 571.8
  Top Layer w6: U2.3 853.9,1278.9 865,1290 1095,1290 1115,1310 C15.1 1100,1345 1085,1360 1085,1420 1095,1430 Y2.1
PC15: C17.1 U2.4 Y2.2 | length 496.1
  Top Layer w6: U2.4 834.21,1284.21 855,1305 1030,1305 1040,1315 C17.1 1060,1365 1060,1415 1050,1425 1024.76,1425 Y2.2
pads on no net: J1.0 J1.4 U1.4 U2.38 U3.9 U3.10 U3.11 U3.12 U3.15

## Polygon pours and split planes (outlines as drawn)
GND on Bottom Layer "Bottom Layer-No Net" (hatched 90Degree grid 4 track 5, pour order 0): 0,1600 1574.8,1600 1574.8,0 1569.8,5 0,5 0,1600
GND on Top Layer "Bottom Layer-No Net" (hatched 90Degree grid 4 track 5, pour order 2): 0,1600 1574.8,1600 1574.8,0 0,0 0,1600

## Keep-outs
Keep-Out Layer:
  the board outline again, w10

## Silkscreen, mask and mechanical layers (free items; w line width, h text height)
Top Overlay:
  text "PA0" at 105,1535 h60
  text "PB9" at 1370,1530 h60
  text "PA1" at 105,1434.02 h60
  text "PB8" at 1370,1430.67 h60
  text "PA2" at 105,1333.69 h60
  text "PB7" at 1370.12,1330.69 h60
  text "PA3" at 105,1234 h60
  text "PB6" at 1370.12,1232 h60
  text "PA4" at 105,1133.02 h60
  text "PB5" at 1369.82,1132.67 h60
  text "PA5" at 105,1033.33 h60
  text "PB4" at 1370.23,1032.69 h60
  text "PB3" at 1370.12,934 h60
  text "PA6" at 105,933 h60
  text "PA12" at 1340.63,834.02 h60
  text "PA7" at 105,832.02 h60
  text "PA11" at 1347.65,734.69 h60
  text "PB0" at 105,732.33 h60
  text "PA10" at 1340.4,636 h60
  text "PB1" at 105,631.36 h60
  text "PA9" at 1370,536.67 h60
  text "PB10" at 105,531.67 h60
  text "PA8" at 1370,437.33 h60
  text "PB11" at 105,430.69 h60
  text "PB15" at 1339.99,338 h60
  text "PB12" at 105,330.36 h60
  text "PB14" at 1340.4,238.02 h60
  text "PB13" at 105,230.67 h60
  text "3V3" at 1374.21,139.33 h60
  text "5V" at 105,130.33 h60
  text "GND" at 1351.51,40 h60
  text "GND" at 105,30 h60